# Altium PCB Driver.PcbDoc
Units mil, origin at the board's own origin, x right, y up, seen from the top; angles counter-clockwise.
Board outline 2940 x 2075 mil, 4 copper layers (Top Layer, POWER GND1, POWER GND2, Bottom Layer), stack 23.756 mil thick; 174 components, 103 nets, 569 pads, 180 vias.
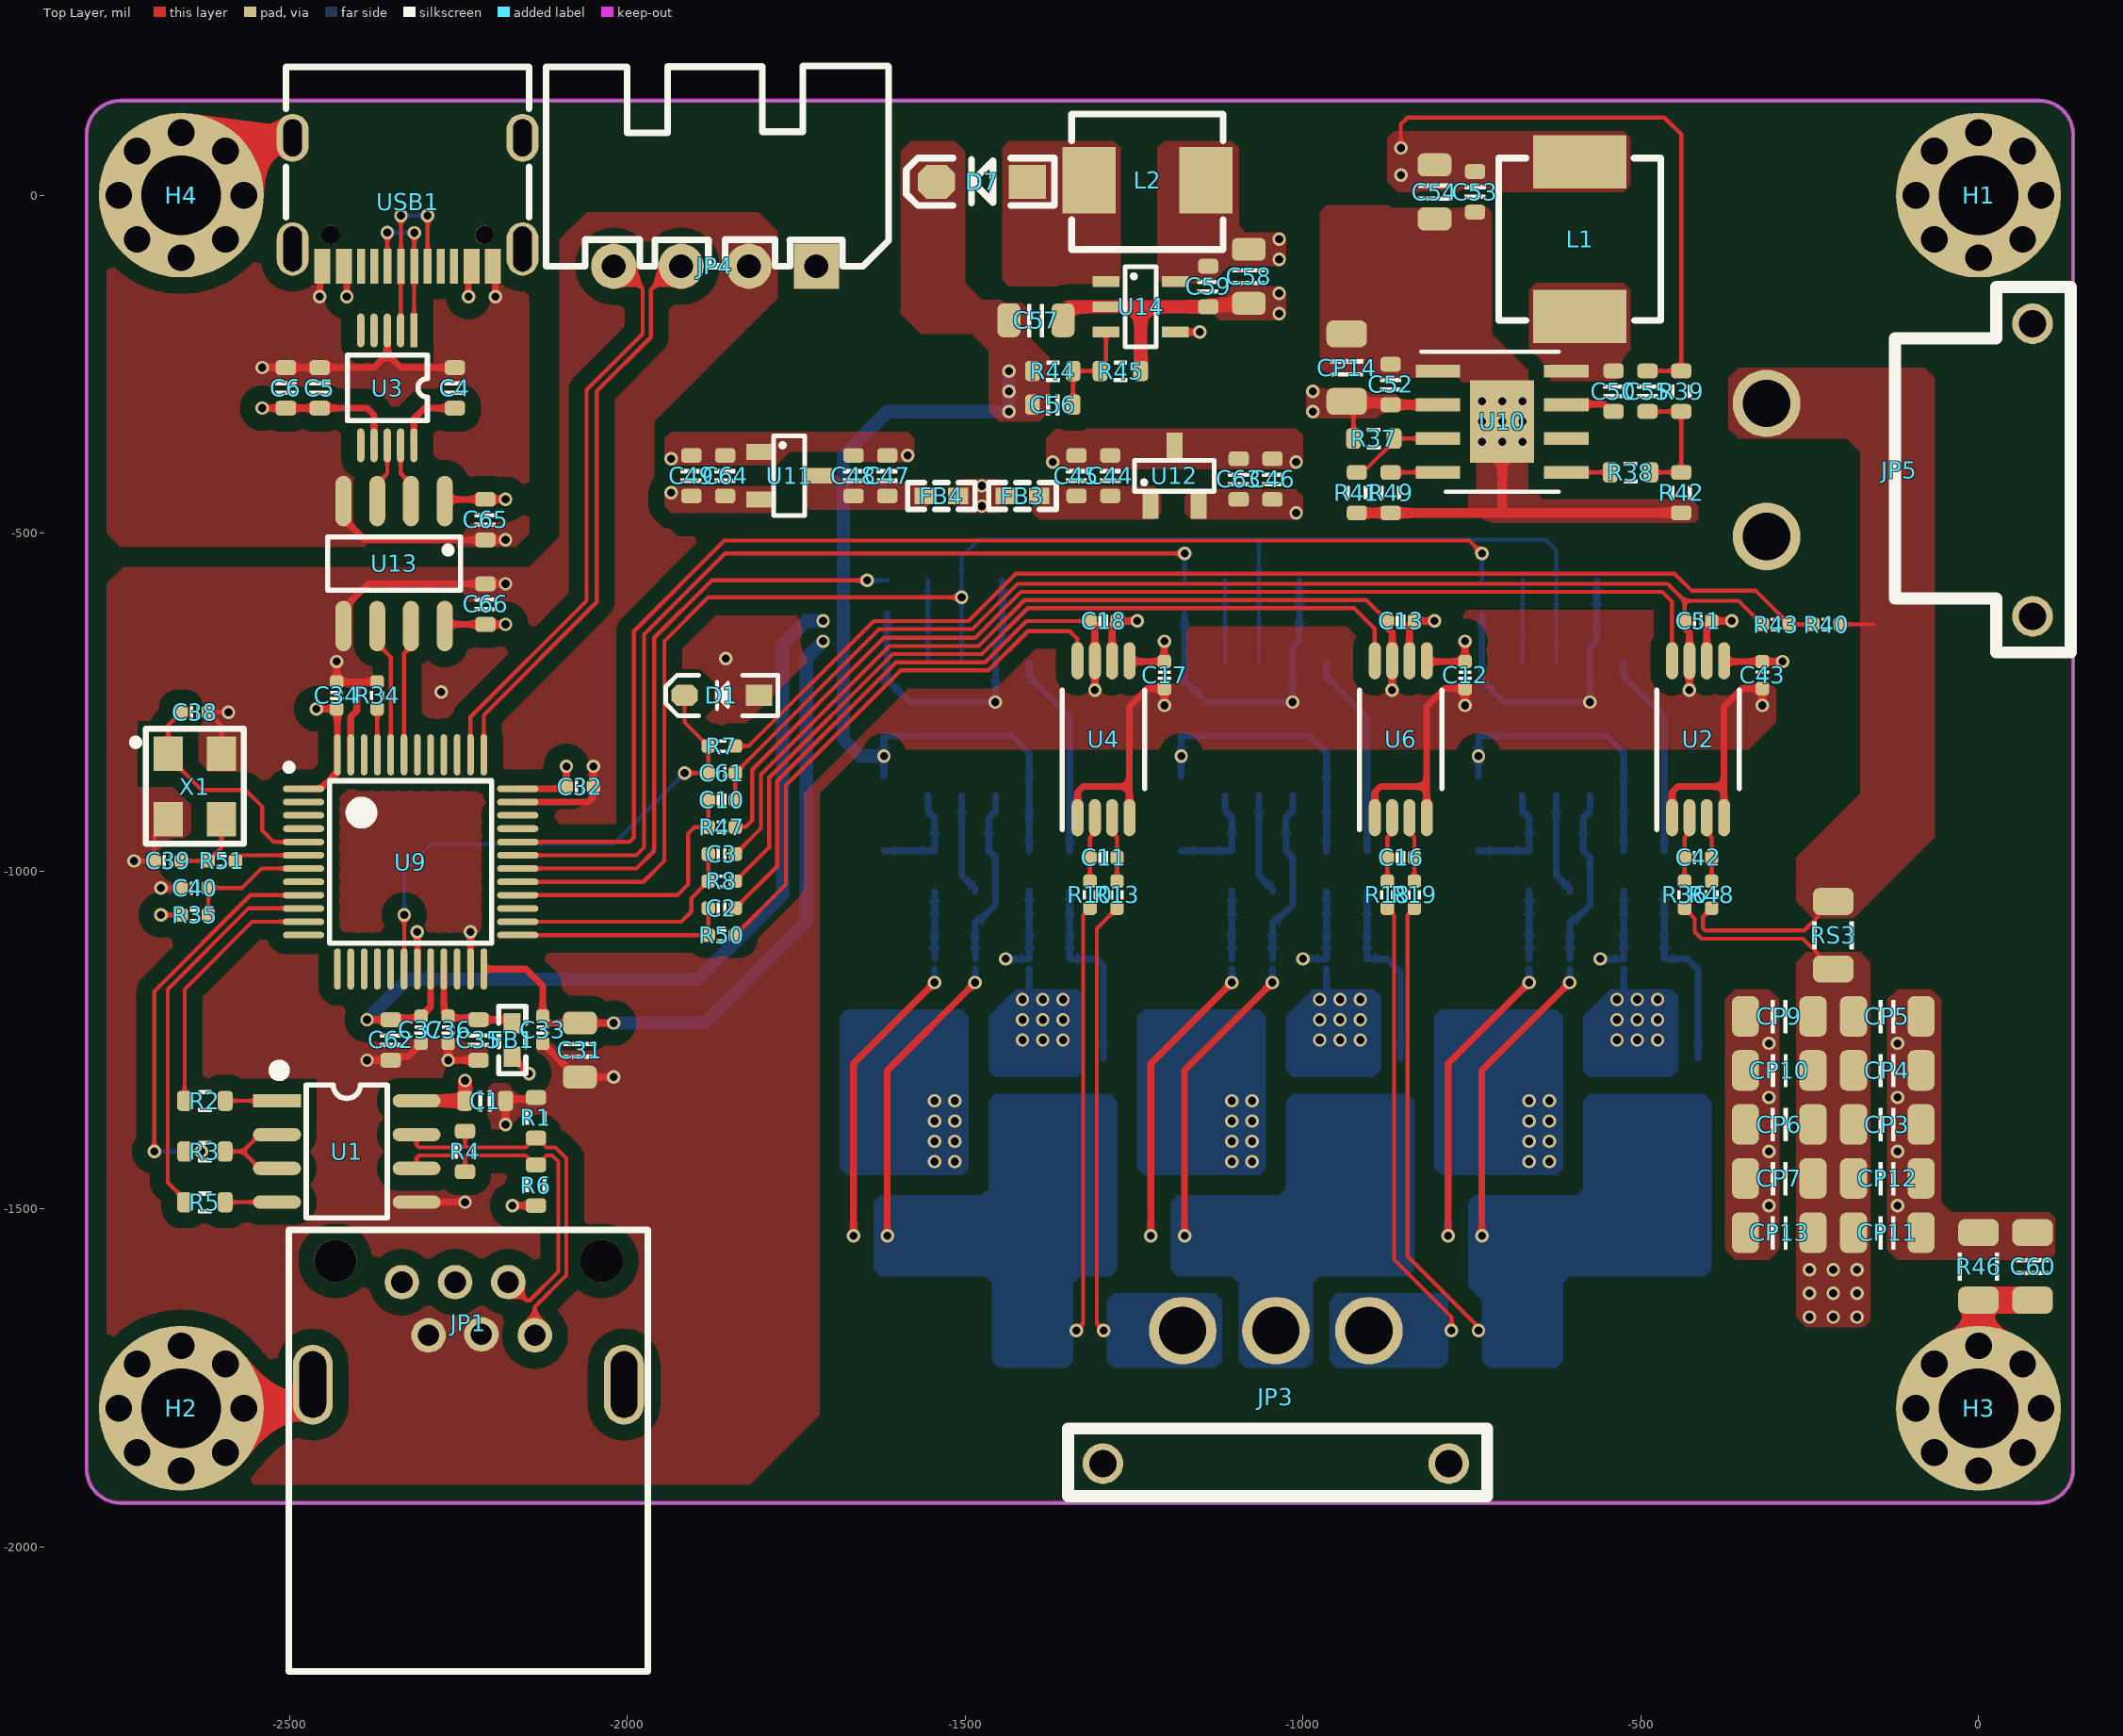
[diagram p0: Top Layer view]
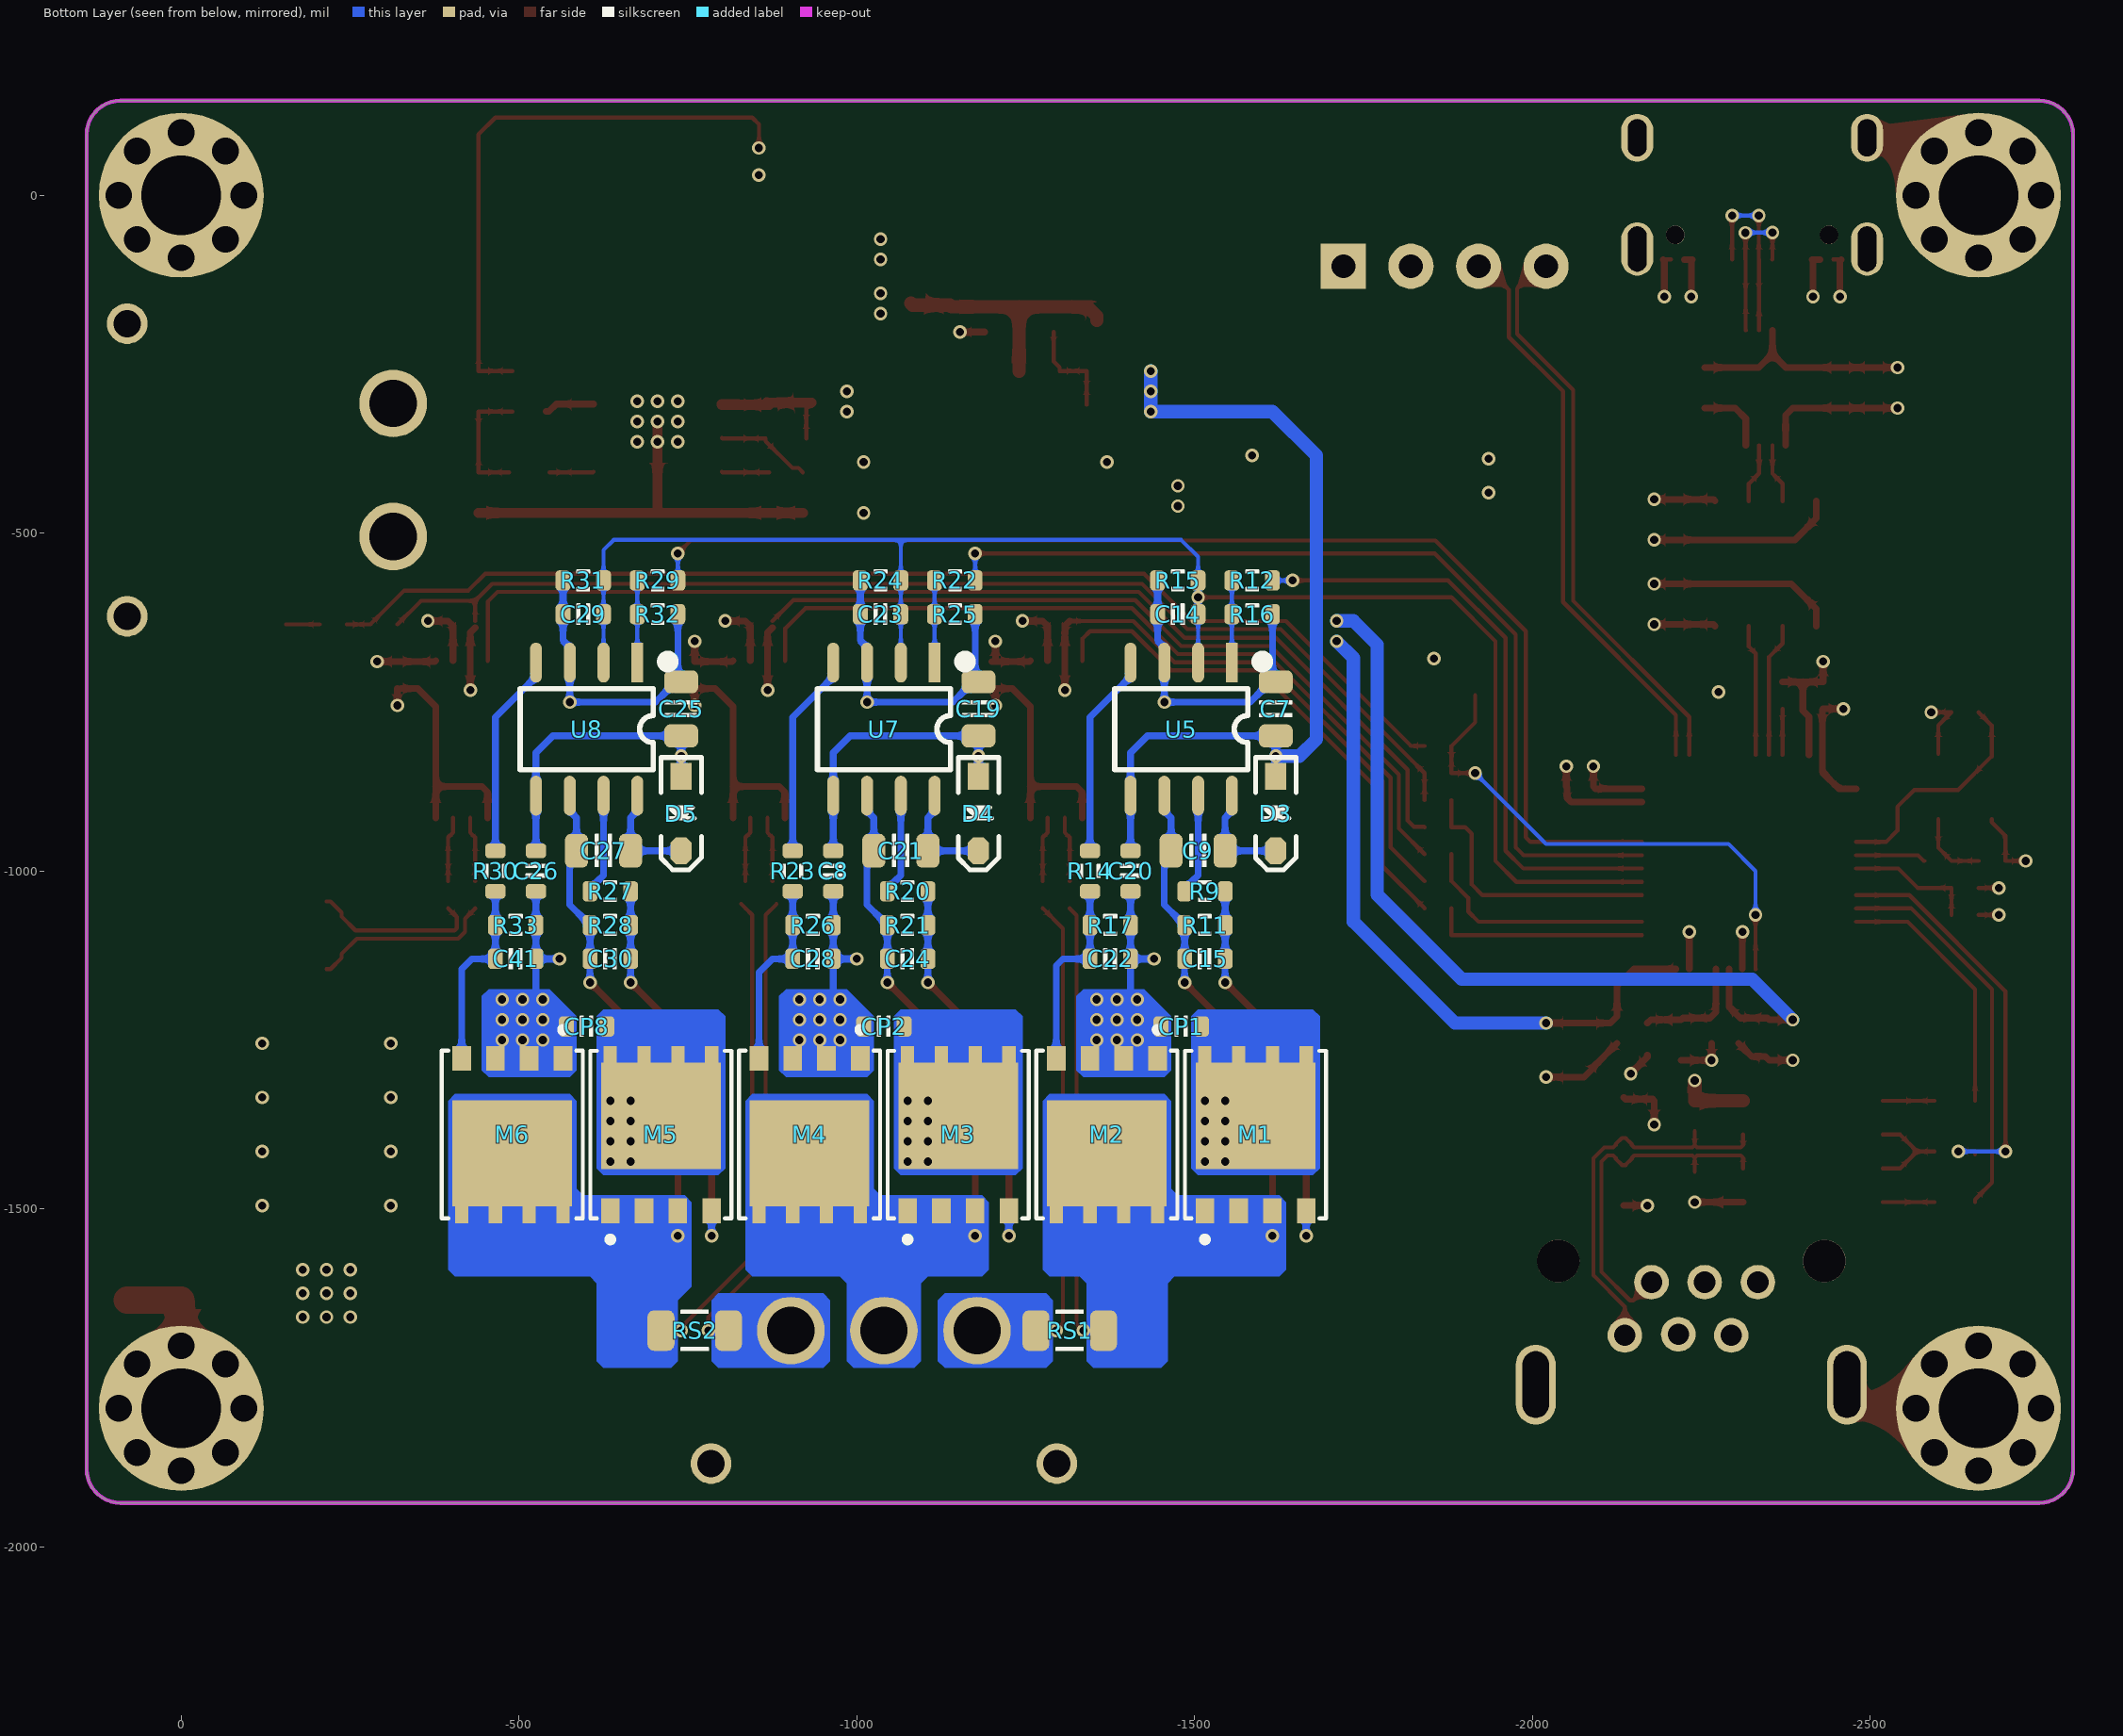
[diagram p1: Bottom Layer view, seen from below]
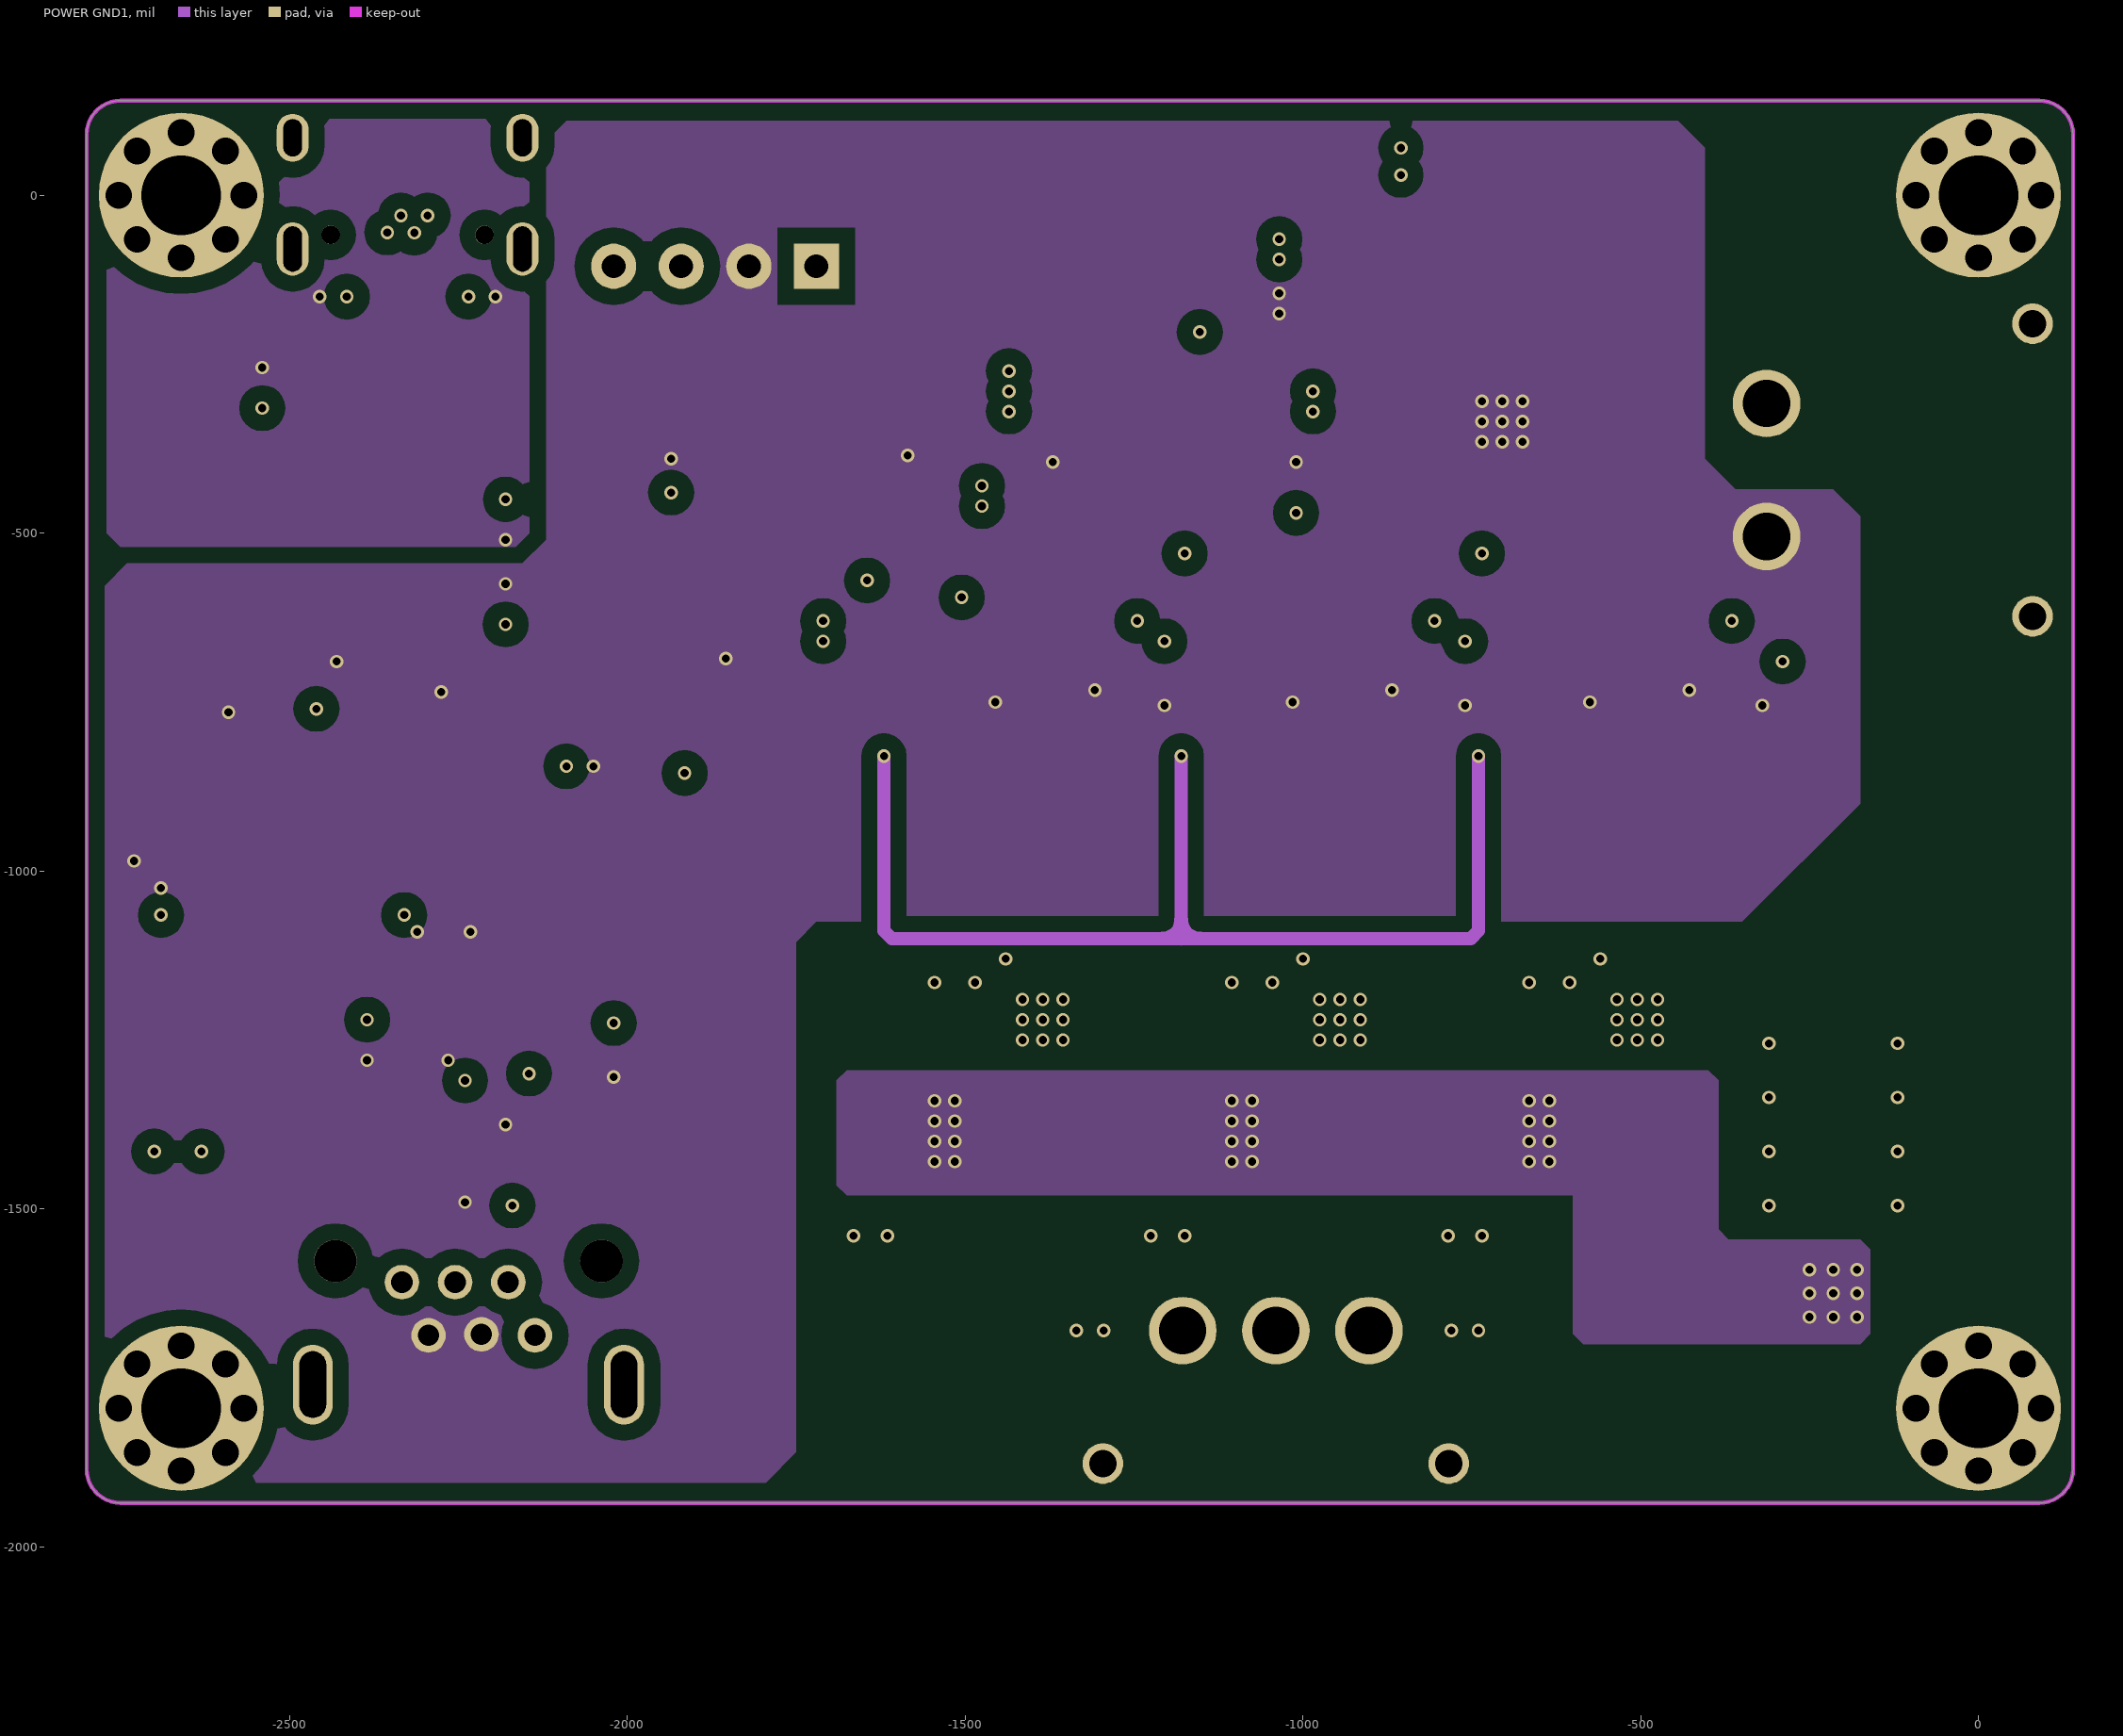
[diagram p2: POWER GND1]